# Altium PCB MB1720.PcbDoc (part 2 of 3)
Units mm, origin at the board's own origin, x right, y up, seen from the top; angles counter-clockwise.
Board outline 62.41 x 34.1 mm, 4 copper layers (Top Layer, MidLayer 1, MidLayer 2, Bottom Layer), stack 1.594 mm thick; 78 components, 65 nets, 237 pads, 1423 vias.
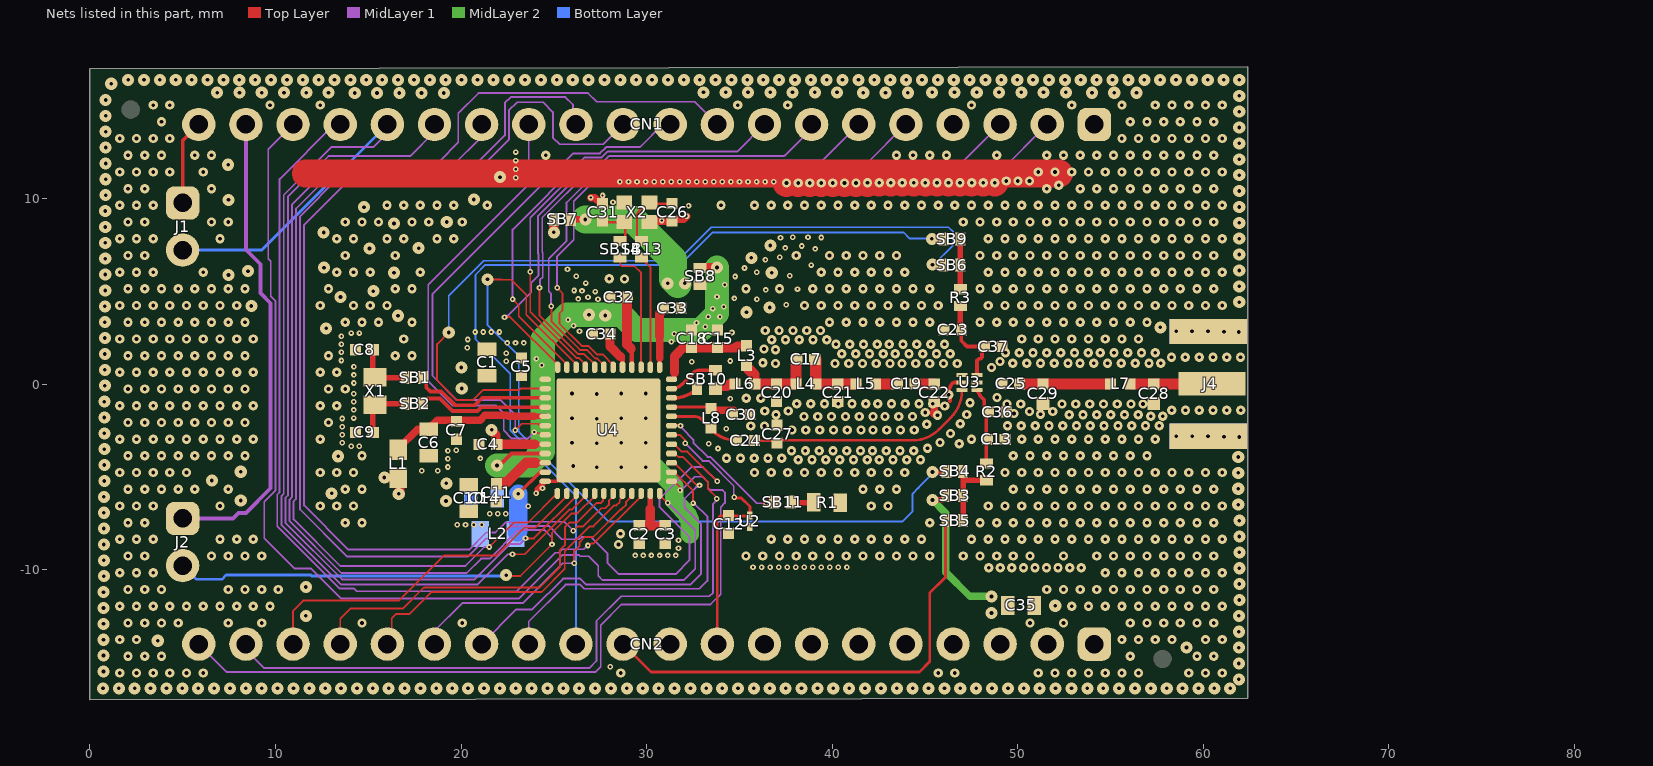
[diagram p4: the nets of this part, all layers, seen from the top]

## Via types
v1: diameter 0.5, hole 0.2, Top Layer to Bottom Layer, 924 vias
v2: diameter 0.65, hole 0.2, Top Layer to Bottom Layer, 327 vias
v3: diameter 0.3, hole 0.125, Top Layer to MidLayer 1, 172 vias

## Nets (pads, with @x,y where several pads share a name; then routed paths per layer and width w, separated by ;. In a path a pad name is that pad's centre, name@x,y a point inside that pad or via, vN(x,y) a via of type N, cw(c..) or ccw(c..) an arc to the next point about the centre after c; other vN are vias at no path point)
GND: C1.1 C2.1 C3.1 C4.1 C5.1 C6.2 C7.2 C8.2 C9.2 C10.2 C11.2 C12.2 C13.1 C14.2 C15.2 C18.1 C20.2 C21.1 C22.1 C23.1 C26.2 C27.1 C28.2 C29.2 C30.1 C31.2 C32.1 C33.1 C34.1 C35.2 C36.1 C37.1 CN1.1 CN1.4 CN2.1 CN2.2 CN2.4 CN2.5 CN2.6 CN2.7 CN2.8 CN2.10 J4.2 R1.1 U2.2 U3.2 U4.48 U4.49 X2.2 X2.4 | length 60
  Top Layer w0.1: CN1.4@46.487,13.977 CN1.4@46.51,14
  Top Layer w0.19: 46.356,-0.136 cw(c46.538,-0.19) 46.374,-0.095 46.44,0.02 ; 46.44,0.021 cw(c46.573,-0.115) 46.462,0.039 46.474,0.048 ; 46.474,0.048 46.478,0.051 cw(c46.59,-0.102) 46.535,0.08 ; 46.536,0.08 cw(c46.627,-0.087) 46.573,0.095 ; 46.573,0.096 46.996,0.096 U3.2@47,0.099
  Top Layer w0.2: U4.48@24.541,-5.231 25.166,-5.231 27.918,-2.479 U4.49@27.94,-2.479 ; v1(46.273,-0.563) cw(c46.449,-0.469) 46.249,-0.469 46.249,-0.375 cw(c46.449,-0.375) 46.276,-0.276 46.356,-0.136 ; 46.349,-0.914 v1@46.349,-0.563
  Top Layer w0.3: 24.1,-5.671 24.391,-5.381 24.391,-5.231 U4.48@24.541,-5.231 ; X2.4@30.15,8.75 X2.4@30.225,8.825
  Top Layer w0.4: v3(26.99,10.061) 27.214,10.061 27.55,9.725 C31.2@27.625,9.725 ; C26.2@31.375,8.825 31.45,8.9 32.004,8.9 v3(32.153,9.049) ; v1@45.481,-1.602 45.481,-1.51 45.493,-1.498 45.493,-0.832 C22.1@45.5,-0.825
  Top Layer w0.5: X2.4@30.225,8.825 C26.2@31.375,8.825 ; C35.2@50.884,-12.056 C35.2@50.884,-11.918 ; CN2.2@51.341,-13.751 CN2.2@51.59,-14
  Top Layer w1.5: 11.629,11.36 22.103,11.359 22.953,11.359 28.562,11.359 29.942,11.359 30.862,11.359 31.782,11.359 32.703,11.359 33.623,11.359 34.543,11.359 35.923,11.359 36.843,11.359 37.542,11.359 38.165,11.359 38.788,11.359 39.412,11.359 40.035,11.359 40.658,11.359 41.281,11.359 41.904,11.359 42.527,11.359 43.15,11.359 43.773,11.359 44.397,11.359 45.02,11.359 45.643,11.359 ; v1(37.542,10.849) v1@37.542,10.858 ; v1(38.165,10.849) v1@38.165,10.858 ; v1(38.788,10.849) v1@38.788,10.858 ; v1(39.412,10.849) v1@39.412,10.858 ; v1(40.035,10.849) v1@40.035,10.858 ; v1(40.658,10.849) v1@40.658,10.858 ; v1(41.281,10.849) v1@41.281,10.858 ; v1(41.904,10.854) v1@41.904,10.859 ; v1(45.643,10.858) 45.643,11.359 ; v1(46.889,10.859) 46.889,11.359 ; v1(47.512,10.859) 47.512,11.359 ; v1(48.135,10.859) 48.135,11.359 ; v1(48.759,10.859) 48.759,11.359 ; v1@52.229,11.359 51.109,11.359 50.005,11.359 48.759,11.359 ; 45.643,11.359 46.266,11.359 46.889,11.359 ; 46.889,11.359 47.512,11.359 ; 47.512,11.359 48.135,11.359 ; 48.135,11.359 48.759,11.359
  MidLayer 2 w1: 29.684,-3.689 31.485,-5.491 31.485,-6.267 32.252,-7.096 32.252,-7.211 32.325,-7.285 32.325,-8.08 ; CN2.6@41.43,-14 CN2.6@41.43,-13.661
  other v1: 1.608,-15.557 2.508,-15.557 3.408,-15.557 4.308,-15.557 5.208,-15.557 6.108,-15.557 28.609,-15.557 45.709,-15.557 46.609,-15.557 51.109,-15.557 52.009,-15.557 52.909,-15.557 53.809,-15.557 54.709,-15.557 55.609,-15.557 56.509,-15.557 59.209,-15.557 60.109,-15.557 61.009,-15.557 2.058,-14.657 2.958,-14.657 3.858,-14.657 56.059,-14.657 59.659,-14.657 60.559,-14.657 1.608,-13.757 2.508,-13.757 55.609,-13.757 56.509,-13.757 57.409,-13.757 58.309,-13.757 60.109,-13.757 61.009,-13.757 2.058,-12.857 2.958,-12.857 3.858,-12.857 4.758,-12.857 7.458,-12.857 9.258,-12.857 14.659,-12.857 20.059,-12.857 50.659,-12.857 52.459,-12.857 56.059,-12.857 56.959,-12.857 57.859,-12.857 58.759,-12.857 59.659,-12.857 60.559,-12.857 1.608,-11.957 2.508,-11.957 3.408,-11.957 4.308,-11.957 5.208,-11.957 6.108,-11.957 7.008,-11.957 7.908,-11.957 8.808,-11.957 9.708,-11.957 52.909,-11.957 53.809,-11.957 54.709,-11.957 55.609,-11.957 56.509,-11.957 57.409,-11.957 58.309,-11.957 59.209,-11.957 60.109,-11.957 61.009,-11.957 2.058,-11.057 2.958,-11.057 3.858,-11.057 7.458,-11.057 8.358,-11.057 9.258,-11.057 10.158,-11.057 51.559,-11.057 52.459,-11.057 53.359,-11.057 54.259,-11.057 55.159,-11.057 56.059,-11.057 56.959,-11.057 57.859,-11.057 58.759,-11.057 59.659,-11.057 60.559,-11.057 1.608,-10.157 2.508,-10.157 3.408,-10.157 54.709,-10.157 55.609,-10.157 56.509,-10.157 57.409,-10.157 58.309,-10.157 59.209,-10.157 60.109,-10.157 61.009,-10.157 48.432,-9.88 49.055,-9.88 49.678,-9.88 50.302,-9.88 50.925,-9.88 51.548,-9.88 52.171,-9.88 52.794,-9.88 53.417,-9.88 2.058,-9.257 2.958,-9.257 6.558,-9.257 7.458,-9.257 8.358,-9.257 9.258,-9.257 35.359,-9.257 36.259,-9.257 37.159,-9.257 38.059,-9.257 38.959,-9.257 39.859,-9.257 40.759,-9.257 41.659,-9.257 42.559,-9.257 43.459,-9.257 44.359,-9.257 45.259,-9.257 47.059,-9.257 47.959,-9.257 48.859,-9.257 49.759,-9.257 50.659,-9.257 52.459,-9.257 54.259,-9.257 55.159,-9.257 56.059,-9.257 56.959,-9.257 57.859,-9.257 58.759,-9.257 59.659,-9.257 60.559,-9.257 1.608,-8.357 2.508,-8.357 3.408,-8.357 7.008,-8.357 7.908,-8.357 8.808,-8.357 36.709,-8.357 37.609,-8.357 38.509,-8.357 39.409,-8.357 40.309,-8.357 41.209,-8.357 42.109,-8.357 43.009,-8.357 43.909,-8.357 44.809,-8.357 47.509,-8.357 48.409,-8.357 49.309,-8.357 50.209,-8.357 51.109,-8.357 52.009,-8.357 52.909,-8.357 53.809,-8.357 54.709,-8.357 55.609,-8.357 56.509,-8.357 57.409,-8.357 58.309,-8.357 59.209,-8.357 60.109,-8.357 61.009,-8.357 2.058,-7.457 2.958,-7.457 13.759,-7.457 14.659,-7.457 45.259,-7.457 47.959,-7.457 48.859,-7.457 49.759,-7.457 50.659,-7.457 51.559,-7.457 52.459,-7.457 53.359,-7.457 54.259,-7.457 55.159,-7.457 56.059,-7.457 56.959,-7.457 57.859,-7.457 58.759,-7.457 59.659,-7.457 60.559,-7.457 1.608,-6.557 2.508,-6.557 3.408,-6.557 7.008,-6.557 12.408,-6.557 13.309,-6.557 14.209,-6.557 42.109,-6.557 43.009,-6.557 48.409,-6.557 49.309,-6.557 50.209,-6.557 51.109,-6.557 52.009,-6.557 52.909,-6.557 53.809,-6.557 54.709,-6.557 55.609,-6.557 56.509,-6.557 57.409,-6.557 58.309,-6.557 59.209,-6.557 60.109,-6.557 61.009,-6.557 2.058,-5.657 2.958,-5.657 3.858,-5.657 4.758,-5.657 5.658,-5.657 7.458,-5.657 13.759,-5.657 14.659,-5.657 41.659,-5.657 42.559,-5.657 43.459,-5.657 49.759,-5.657 50.659,-5.657 51.559,-5.657 52.459,-5.657 53.359,-5.657 54.259,-5.657 55.159,-5.657 56.059,-5.657 56.959,-5.657 57.859,-5.657 58.759,-5.657 59.659,-5.657 60.559,-5.657 1.608,-4.757 2.508,-4.757 3.408,-4.757 4.308,-4.757 5.208,-4.757 12.408,-4.757 13.309,-4.757 14.209,-4.757 35.809,-4.757 36.709,-4.757 37.609,-4.757 38.509,-4.757 39.409,-4.757 40.309,-4.757 41.209,-4.757 42.109,-4.757 43.009,-4.757 43.909,-4.757 49.309,-4.757 50.209,-4.757 51.109,-4.757 52.009,-4.757 52.909,-4.757 53.809,-4.757 54.709,-4.757 55.609,-4.757 56.509,-4.757 57.409,-4.757 58.309,-4.757 59.209,-4.757 60.109,-4.757 61.009,-4.757 38.171,-4.069 38.914,-4.069 39.657,-4.069 40.4,-4.069 41.143,-4.069 41.886,-4.069 42.529,-4.069 43.272,-4.069 44.016,-4.069 44.759,-4.069 34.309,-3.979 35.053,-3.979 35.796,-3.979 36.539,-3.979 37.282,-3.979 2.058,-3.857 2.958,-3.857 3.858,-3.857 4.758,-3.857 5.658,-3.857 6.558,-3.857 7.458,-3.857 8.358,-3.857 14.659,-3.857 49.759,-3.857 50.659,-3.857 51.559,-3.857 52.459,-3.857 53.359,-3.857 54.259,-3.857 55.159,-3.857 56.059,-3.857 56.959,-3.857 37.812,-3.575 38.555,-3.575 39.298,-3.575 40.041,-3.575 40.784,-3.575 41.527,-3.575 42.17,-3.575 42.913,-3.575 43.657,-3.575 44.4,-3.575 45.132,-3.446 46.849,-3.208 45.805,-3.132 1.608,-2.957 2.508,-2.957 3.408,-2.957 4.308,-2.957 5.208,-2.957 6.108,-2.957 7.008,-2.957 7.908,-2.957 8.808,-2.957 12.408,-2.957 47.509,-2.957 50.209,-2.957 51.109,-2.957 52.009,-2.957 52.909,-2.957 53.809,-2.957 54.709,-2.957 55.609,-2.957 56.509,-2.957 57.409,-2.957 46.374,-2.654 37.837,-2.466 38.58,-2.466 39.323,-2.466 40.066,-2.466 40.809,-2.466 41.552,-2.466 42.195,-2.466 42.939,-2.466 43.682,-2.466 44.425,-2.466 35.604,-2.251 36.347,-2.251 49.448,-2.24 50.191,-2.24 50.934,-2.24 51.678,-2.24 52.421,-2.24 53.164,-2.24 53.907,-2.24 54.65,-2.24 55.393,-2.24 56.136,-2.24 56.879,-2.24 57.623,-2.24 45.098,-2.152 46.9,-2.129 2.058,-2.057 2.958,-2.057 3.858,-2.057 4.758,-2.057 5.658,-2.057 6.558,-2.057 7.458,-2.057 8.358,-2.057 12.859,-2.057 38.481,-1.734 39.224,-1.734 39.967,-1.734 40.71,-1.734 41.453,-1.734 42.196,-1.734 42.84,-1.734 43.583,-1.734 44.326,-1.734 57.16,-1.727 57.803,-1.727 45.668,-1.674 36.969,-1.648 47.244,-1.632 52.774,-1.646 53.517,-1.646 54.26,-1.646 55.003,-1.646 55.746,-1.646 56.49,-1.646 51.22,-1.61 49.8,-1.574 45.018,-1.52 50.63,-1.462 51.89,-1.462 36.365,-1.439 37.626,-1.439 58.291,-1.405 59.034,-1.405 59.777,-1.405 60.52,-1.405 61.263,-1.405 62.006,-1.405 46.062,-1.175 1.608,-1.157 2.508,-1.157 3.408,-1.157 4.308,-1.157 5.208,-1.157 6.108,-1.157 7.008,-1.157 7.908,-1.157 8.808,-1.157 12.408,-1.157 13.309,-1.157 38.093,-1.047 38.836,-1.047 39.58,-1.047 40.323,-1.047 41.066,-1.047 41.809,-1.047 42.452,-1.047 43.195,-1.047 43.938,-1.047 44.681,-1.047 45.425,-1.047 49.413,-1.066 50.156,-1.066 52.386,-1.066 53.129,-1.066 53.872,-1.066 54.615,-1.066 55.358,-1.066 56.101,-1.066 56.744,-1.066 47.428,-1 35.374,-0.751 36.155,-0.751 48.878,-0.717 2.058,-0.257 2.958,-0.257 3.858,-0.257 4.758,-0.257 5.658,-0.257 6.558,-0.257 7.458,-0.257 8.358,-0.257 12.859,-0.257 13.759,-0.257 1.608,0.643 2.508,0.643 3.408,0.643 4.308,0.643 5.208,0.643 6.108,0.643 7.008,0.643 7.908,0.643 8.808,0.643 12.408,0.643 13.309,0.643 48.581,0.904 36.947,1.114 40.147,1.116 40.89,1.116 41.633,1.116 42.376,1.116 43.119,1.116 43.762,1.116 44.505,1.116 45.249,1.116 45.992,1.116 46.735,1.116 49.734,1.139 50.477,1.139 51.22,1.139 51.963,1.139 52.706,1.139 53.349,1.139 54.093,1.139 54.836,1.139 55.579,1.139 56.322,1.139 57.065,1.139 57.708,1.139 36.265,1.161 49.042,1.224 58.287,1.456 59.03,1.456 59.773,1.456 60.516,1.456 61.259,1.456 62.002,1.456 2.058,1.543 2.958,1.543 3.858,1.543 4.758,1.543 5.658,1.543 6.558,1.543 7.458,1.543 8.358,1.543 12.859,1.543 16.459,1.543 17.359,1.543 40.519,1.648 41.262,1.648 42.005,1.648 42.748,1.648 43.391,1.648 44.134,1.648 44.877,1.648 45.621,1.648 46.364,1.648 49.337,1.695 50.08,1.695 50.823,1.695 51.566,1.695 52.309,1.695 53.052,1.695 53.795,1.695 54.439,1.695 55.182,1.695 55.925,1.695 56.668,1.695 57.411,1.695 36.947,1.857 36.327,1.896 40.203,2.152 40.946,2.152 41.69,2.152 42.433,2.152 43.076,2.152 43.819,2.152 44.562,2.152 45.305,2.152 46.048,2.152 36.739,2.4 37.482,2.4 38.225,2.4 38.968,2.4 39.711,2.4 1.608,2.443 2.508,2.443 3.408,2.443 4.308,2.443 5.208,2.443 6.108,2.443 7.008,2.443 7.908,2.443 8.808,2.443 16.909,2.443 50.209,2.443 51.109,2.443 52.009,2.443 52.909,2.443 53.809,2.443 54.709,2.443 55.609,2.443 56.509,2.443 36.395,2.893 37.138,2.893 37.882,2.893 38.625,2.893 39.368,2.893 2.058,3.343 2.958,3.343 3.858,3.343 4.758,3.343 5.658,3.343 6.558,3.343 7.458,3.343 8.358,3.343 13.759,3.343 14.659,3.343 15.559,3.343 17.359,3.343 39.859,3.343 40.759,3.343 41.659,3.343 42.559,3.343 43.459,3.343 44.359,3.343 45.259,3.343 47.959,3.343 48.859,3.343 49.759,3.343 50.659,3.343 51.559,3.343 52.459,3.343 53.359,3.343 54.259,3.343 55.159,3.343 56.059,3.343 56.959,3.343 1.608,4.243 2.508,4.243 3.408,4.243 4.308,4.243 5.208,4.243 6.108,4.243 7.008,4.243 7.908,4.243 12.408,4.243 14.209,4.243 15.109,4.243 16.009,4.243 38.509,4.243 39.409,4.243 40.309,4.243 41.209,4.243 42.109,4.243 43.009,4.243 43.909,4.243 44.809,4.243 45.709,4.243 48.409,4.243 49.309,4.243 50.209,4.243 51.109,4.243 52.009,4.243 52.909,4.243 53.809,4.243 54.709,4.243 55.609,4.243 56.509,4.243 57.409,4.243 58.309,4.243 59.209,4.243 60.109,4.243 61.009,4.243 2.058,5.143 2.958,5.143 3.858,5.143 4.758,5.143 5.658,5.143 6.558,5.143 7.458,5.143 8.358,5.143 12.859,5.143 16.459,5.143 17.359,5.143 35.359,5.143 37.159,5.143 38.959,5.143 39.859,5.143 40.759,5.143 41.659,5.143 42.559,5.143 43.459,5.143 44.359,5.143 45.259,5.143 47.959,5.143 48.859,5.143 49.759,5.143 50.659,5.143 51.559,5.143 52.459,5.143 53.359,5.143 54.259,5.143 55.159,5.143 56.059,5.143 56.959,5.143 57.859,5.143 58.759,5.143 59.659,5.143 60.559,5.143 1.608,6.043 2.508,6.043 3.408,6.043 6.108,6.043 13.309,6.043 14.209,6.043 15.109,6.043 17.809,6.043 39.409,6.043 40.309,6.043 41.209,6.043 42.109,6.043 43.009,6.043 43.909,6.043 48.409,6.043 49.309,6.043 50.209,6.043 51.109,6.043 52.009,6.043 52.909,6.043 53.809,6.043 54.709,6.043 55.609,6.043 56.509,6.043 57.409,6.043 58.309,6.043 59.209,6.043 60.109,6.043 61.009,6.043 2.058,6.943 2.958,6.943 13.759,6.943 16.459,6.943 38.059,6.943 39.859,6.943 40.759,6.943 41.659,6.943 42.559,6.943 43.459,6.943 47.959,6.943 48.859,6.943 49.759,6.943 50.659,6.943 51.559,6.943 52.459,6.943 53.359,6.943 54.259,6.943 55.159,6.943 56.059,6.943 56.959,6.943 57.859,6.943 58.759,6.943 59.659,6.943 60.559,6.943 1.608,7.843 2.508,7.843 3.408,7.843 7.008,7.843 13.309,7.843 14.209,7.843 16.009,7.843 16.909,7.843 18.709,7.843 19.609,7.843 48.409,7.843 49.309,7.843 50.209,7.843 51.109,7.843 52.009,7.843 52.909,7.843 53.809,7.843 54.709,7.843 55.609,7.843 56.509,7.843 57.409,7.843 58.309,7.843 59.209,7.843 60.109,7.843 61.009,7.843 2.058,8.743 2.958,8.743 6.558,8.743 7.458,8.743 13.759,8.743 14.659,8.743 15.559,8.743 17.359,8.743 18.259,8.743 20.059,8.743 47.059,8.743 47.959,8.743 48.859,8.743 49.759,8.743 50.659,8.743 51.559,8.743 52.459,8.743 53.359,8.743 54.259,8.743 55.159,8.743 56.059,8.743 56.959,8.743 57.859,8.743 58.759,8.743 59.659,8.743 60.559,8.743 1.608,9.643 2.508,9.643 3.408,9.643 16.009,9.643 16.909,9.643 17.809,9.643 18.709,9.643 19.609,9.643 21.409,9.643 34.009,9.643 35.809,9.643 36.709,9.643 37.609,9.643 38.509,9.643 39.409,9.643 40.309,9.643 41.209,9.643 42.109,9.643 43.009,9.643 43.909,9.643 44.809,9.643 45.709,9.643 46.609,9.643 47.509,9.643 48.409,9.643 49.309,9.643 50.209,9.643 51.109,9.643 52.009,9.643 52.909,9.643 53.809,9.643 54.709,9.643 55.609,9.643 56.509,9.643 57.409,9.643 58.309,9.643 59.209,9.643 60.109,9.643 61.009,9.643 2.058,10.543 2.958,10.543 6.558,10.543 51.559,10.543 53.359,10.543 54.259,10.543 55.159,10.543 56.059,10.543 56.959,10.543 57.859,10.543 58.759,10.543 59.659,10.543 60.559,10.543 52.202,10.719 42.527,10.858 43.15,10.858 43.773,10.858 44.397,10.858 45.02,10.858 46.266,10.858 49.382,10.956 50.005,10.956 50.628,10.956 1.608,11.443 2.508,11.443 3.408,11.443 4.308,11.443 6.108,11.443 51.109,11.443 52.009,11.443 52.909,11.443 53.809,11.443 54.709,11.443 55.609,11.443 56.509,11.443 57.409,11.443 58.309,11.443 59.209,11.443 60.109,11.443 61.009,11.443 2.058,12.343 2.958,12.343 3.858,12.343 5.658,12.343 6.558,12.343 24.559,12.343 43.459,12.343 44.359,12.343 45.259,12.343 46.159,12.343 48.859,12.343 51.559,12.343 52.459,12.343 53.359,12.343 54.259,12.343 55.159,12.343 56.059,12.343 56.959,12.343 57.859,12.343 58.759,12.343 59.659,12.343 60.559,12.343 1.608,13.243 2.508,13.243 3.408,13.243 4.308,13.243 55.609,13.243 56.509,13.243 57.409,13.243 58.309,13.243 59.209,13.243 60.109,13.243 61.009,13.243 3.858,14.143 56.059,14.143 56.959,14.143 57.859,14.143 58.759,14.143 59.659,14.143 60.559,14.143 3.408,15.043 4.308,15.043 9.708,15.043 12.408,15.043 34.909,15.043 37.609,15.043 47.509,15.043 52.909,15.043 55.609,15.043 57.409,15.043 58.309,15.043 59.209,15.043 60.109,15.043 61.009,15.043
  other v2: 0.707,-16.381 1.562,-16.381 2.417,-16.381 3.272,-16.381 4.126,-16.381 4.981,-16.381 5.836,-16.381 6.695,-16.381 7.55,-16.381 8.405,-16.381 9.259,-16.381 10.114,-16.381 10.969,-16.381 11.828,-16.381 12.683,-16.381 13.537,-16.381 14.392,-16.381 15.247,-16.381 16.102,-16.381 16.961,-16.381 17.816,-16.381 18.67,-16.381 19.525,-16.381 20.38,-16.381 21.235,-16.381 22.094,-16.381 22.949,-16.381 23.803,-16.381 24.658,-16.381 25.513,-16.381 26.368,-16.381 27.227,-16.381 28.082,-16.381 28.936,-16.381 29.791,-16.381 30.646,-16.381 31.501,-16.381 32.36,-16.381 33.215,-16.381 34.069,-16.381 34.924,-16.381 35.779,-16.381 36.634,-16.381 37.493,-16.381 38.347,-16.381 39.202,-16.381 40.057,-16.381 40.912,-16.381 41.767,-16.381 42.626,-16.381 43.48,-16.381 44.335,-16.381 45.19,-16.381 46.045,-16.381 46.9,-16.381 47.759,-16.381 48.613,-16.381 49.468,-16.381 50.323,-16.381 51.178,-16.381 52.033,-16.381 52.892,-16.381 53.746,-16.381 54.601,-16.381 55.456,-16.381 56.311,-16.381 57.166,-16.381 58.024,-16.381 58.879,-16.381 59.734,-16.381 60.589,-16.381 61.444,-16.381 61.911,-15.899 0.732,-15.474 61.911,-15.044 0.732,-14.619 59.094,-14.178 61.911,-14.189 3.657,-13.818 0.732,-13.764 61.911,-13.334 0.732,-12.909 11.635,-12.476 61.911,-12.479 0.732,-12.054 52.017,-11.933 61.935,-11.62 0.732,-11.2 11.636,-10.928 61.935,-10.766 0.756,-10.341 61.935,-9.911 0.756,-9.486 61.935,-9.056 0.756,-8.631 61.935,-8.201 0.756,-7.776 61.935,-7.346 0.756,-6.921 61.878,-6.483 8.13,-6.26 0.756,-6.067 13.029,-5.875 61.878,-5.629 0.78,-5.208 6.57,-5.19 61.878,-4.774 8.131,-4.713 27.306,-4.475 28.631,-4.475 29.956,-4.475 26.048,-4.408 0.78,-4.353 61.878,-3.919 13.376,-3.878 0.78,-3.498 27.306,-3.175 25.981,-3.15 28.631,-3.15 29.956,-3.15 61.112,-2.827 61.929,-2.845 58.543,-2.803 59.398,-2.803 60.253,-2.803 0.78,-2.643 27.306,-1.85 25.981,-1.825 28.631,-1.825 29.956,-1.825 0.78,-1.788 0.78,-0.934 27.306,-0.525 25.981,-0.5 28.631,-0.5 29.956,-0.5 0.805,-0.075 0.805,0.78 0.805,1.635 0.805,2.49 61.105,2.833 61.899,2.819 58.537,2.857 59.392,2.857 60.246,2.857 12.736,3.016 57.679,3.068 0.805,3.345 16.602,3.693 35.382,3.882 36.632,4.135 0.805,4.199 8.699,4.215 61.931,4.424 13.504,4.706 15.277,5.018 0.829,5.058 61.931,5.279 0.829,5.913 7.471,5.891 16.39,6.011 36.743,6.011 8.517,6.098 61.931,6.133 12.615,6.284 0.829,6.768 35.643,6.816 61.931,6.988 15.065,7.311 17.715,7.336 36.665,7.477 0.829,7.623 61.931,7.847 12.597,8.176 0.829,8.478 16.39,8.661 61.931,8.702 19.232,8.749 0.829,9.332 14.768,9.541 61.931,9.557 7.472,9.937 20.692,9.952 0.853,10.191 61.931,10.412 0.853,11.046 22.103,11.158 61.931,11.266 7.454,11.828 0.853,11.901 61.931,12.121 0.853,12.756 61.931,12.98 0.853,13.61 61.931,13.835 0.853,14.465 61.931,14.69 0.853,15.32 61.931,15.544 14.273,15.691 15.473,15.691 16.673,15.691 17.873,15.691 19.073,15.691 6.862,15.714 8.062,15.714 9.262,15.714 10.462,15.714 11.662,15.714 12.862,15.714 41.673,15.708 42.873,15.708 44.073,15.708 53.998,15.708 55.198,15.708 56.398,15.708 33.063,15.731 34.263,15.731 35.463,15.731 36.663,15.731 37.863,15.731 39.063,15.731 40.263,15.731 45.388,15.731 46.588,15.731 47.788,15.731 48.988,15.731 50.188,15.731 51.388,15.731 52.588,15.731 1.152,16.192 2.063,16.401 2.918,16.401 3.773,16.401 4.627,16.401 5.486,16.401 6.341,16.401 7.196,16.401 8.051,16.401 8.906,16.401 9.76,16.401 10.619,16.401 11.474,16.401 12.329,16.401 13.184,16.401 14.039,16.401 14.893,16.401 15.752,16.401 16.607,16.401 17.462,16.401 18.317,16.401 19.171,16.401 20.026,16.401 20.885,16.401 21.74,16.401 22.595,16.401 23.45,16.401 24.304,16.401 25.159,16.401 26.018,16.401 26.873,16.401 27.728,16.401 28.583,16.401 29.437,16.401 30.292,16.401 31.151,16.401 32.006,16.401 32.861,16.401 33.716,16.401 34.57,16.401 35.425,16.401 36.284,16.401 37.139,16.401 37.994,16.401 38.849,16.401 39.703,16.401 40.558,16.401 41.417,16.401 42.272,16.401 43.127,16.401 43.981,16.401 44.836,16.401 45.691,16.401 46.55,16.401 47.405,16.401 48.26,16.401 49.114,16.401 49.969,16.401 50.824,16.401 51.683,16.401 52.538,16.401 53.393,16.401 54.247,16.401 55.102,16.401 55.957,16.401 56.816,16.401 57.671,16.401 58.526,16.401 59.38,16.401 60.235,16.401 61.09,16.401 61.931,16.401
  other v3: 28.038,-15.213 35.732,-9.861 36.192,-9.861 36.652,-9.861 37.112,-9.861 37.572,-9.861 38.032,-9.861 38.492,-9.861 38.952,-9.861 39.412,-9.861 39.872,-9.861 40.332,-9.861 40.792,-9.861 29.385,-9.223 29.822,-9.223 30.26,-9.223 30.697,-9.223 31.134,-9.223 31.572,-9.223 31.718,-8.832 31.718,-8.396 19.803,-7.561 20.24,-7.561 20.678,-7.561 21.115,-7.561 21.543,-6.969 21.98,-6.969 22.417,-6.969 23.627,-6.571 24.043,-5.865 24.391,-5.6 17.887,-4.666 18.737,-4.666 19.293,-4.458 19.293,-4.021 21.045,-3.996 19.293,-3.584 19.734,-3.559 33.846,-3.46 14.083,-3.337 14.521,-3.337 33.355,-3.207 13.6,-3.156 13.6,-2.719 34.296,-2.403 13.6,-2.281 13.6,-1.844 14.226,-1.82 14.226,-1.383 14.226,-0.945 34.515,-0.781 14.226,-0.508 14.229,0.067 14.229,0.505 14.229,0.942 24.344,1.033 32.427,1.212 22.429,1.237 34.508,1.253 13.556,1.283 24.062,1.368 22.429,1.674 13.556,1.721 20.33,1.977 13.556,2.158 22.497,2.226 22.934,2.226 23.372,2.226 31.338,2.284 20.368,2.413 13.556,2.595 31.492,2.716 14.089,2.76 14.527,2.76 34.599,2.789 20.757,2.818 21.195,2.818 21.632,2.818 22.069,2.818 26.384,2.855 33.161,3.102 26.064,3.162 32.689,3.312 25.766,3.473 33.32,3.639 33.951,3.632 33.56,4.08 34.153,4.174 37.53,4.279 27.38,4.584 35.945,4.579 26.311,4.599 34.731,4.626 26.842,4.685 33.793,4.709 27.23,4.995 26.519,5.029 26.089,5.052 36.426,5.083 38.13,5.131 34.207,5.359 26.724,5.453 34.764,5.807 26.213,5.818 37.712,5.841 35.937,6.03 25.738,6.196 35.275,6.267 38.871,6.424 36.403,6.716 37.175,6.85 39.092,7.292 37.467,7.347 38.351,7.45 37.214,7.893 37.873,7.914 38.696,7.915 39.41,7.91 30.819,8.826 32.261,9.613 28.189,9.8 27.627,10.173 28.562,10.92 29.022,10.92 29.482,10.92 29.942,10.92 30.402,10.92 30.862,10.92 31.322,10.92 31.782,10.92 32.243,10.92 32.703,10.92 33.163,10.92 33.623,10.92 34.083,10.92 34.543,10.92 35.003,10.92 35.463,10.92 35.923,10.92 36.383,10.92 36.843,10.92 22.953,11.133 22.953,11.593 22.953,12.053 22.953,12.514
NetC6_1: C6.1 C7.1 L1.2 U4.41 | length 8.8
  Top Layer w0.3: 23.949,-1.731 U4.41@24.541,-1.731
  Top Layer w0.4: L1.2@16.624,-3.536 16.624,-3.461 17.663,-2.421 18.086,-2.421 18.249,-2.259 18.386,-2.259 18.707,-1.938 21.029,-1.938 21.289,-1.678 22.494,-1.678 22.547,-1.731 23.949,-1.731
NetC8_1: C8.1 SB1.2 X1.2 | length 3.2
  Top Layer w0.3: C8.1@15.248,1.862 15.248,0.506 X1.2@15.368,0.386 15.393,0.362 SB1.2@17.043,0.362
NetC9_1: C9.1 SB2.2 X1.1 | length 3.2
  Top Layer w0.3: C9.1@15.248,-2.589 15.248,-1.234 X1.1@15.368,-1.114 15.443,-1.039 SB2.2@17.043,-1.039
NetC12_1: C12.1 CN2.9 U2.1 U4.18 | length 15.3
  Top Layer w0.1: U4.18@31.338,-2.731 31.782,-2.731 32.074,-3.023 v3(32.074,-3.176)
  Top Layer w0.15: CN2.9@33.81,-14 33.81,-7.251 33.963,-7.099 34.413,-7.099 35.534,-7.099 U2.1@35.563,-7.069 35.563,-6.594 35.101,-6.132 v3@34.758,-6.132
  MidLayer 1 w0.1: v3(32.074,-3.176) 32.074,-3.187 33.018,-4.13 33.341,-4.13 34.692,-5.481 34.692,-6.065 v3(34.72,-6.093)
NetC13_2: C13.2 C36.2 R2.1 U3.4 | length 4.4
  Top Layer w0.2: U3.4@47.8,-0.3 47.987,-0.3 U3.4@48,-0.313 ; U3.4@47.829,-0.358 48,-0.654 48.196,-0.85 48.196,-1.32 48.376,-1.5 48.297,-1.58 48.297,-2.973 48.297,-4.267 R2.1@48.303,-4.273
NetC17_1: C17.1 C20.1 L3.1 L4.1 L6.1 | length 4.4
  Top Layer w0.6: L3.1@35.48,0.819 35.778,0.521 35.778,0.044 L6.1@35.803,0.019 ; L6.1@35.878,0.02 37,0.02 37.879,0.02 L4.1@37.998,0.139 ; L4.1@38.051,0.02 38.057,0.025 C17.1@38.057,1.344
NetC17_2: C17.2 C21.2 L4.2 L5.1 | length 3.5
  Top Layer w0.6: C17.2@39.106,1.345 39.116,1.335 39.116,0.024 L4.2@39.111,0.02 ; L4.2@39.161,0.048 39.184,0.025 C21.2@40.299,0.025 L5.1@41.277,0.025
NetC19_1: C19.1 C22.2 U3.1 | length 1
  Top Layer w0.6: C19.1@44.455,0.025 C22.2@45.5,0.025